# Altium PCB AD9959.PcbDoc (part 1 of 2) (continued)
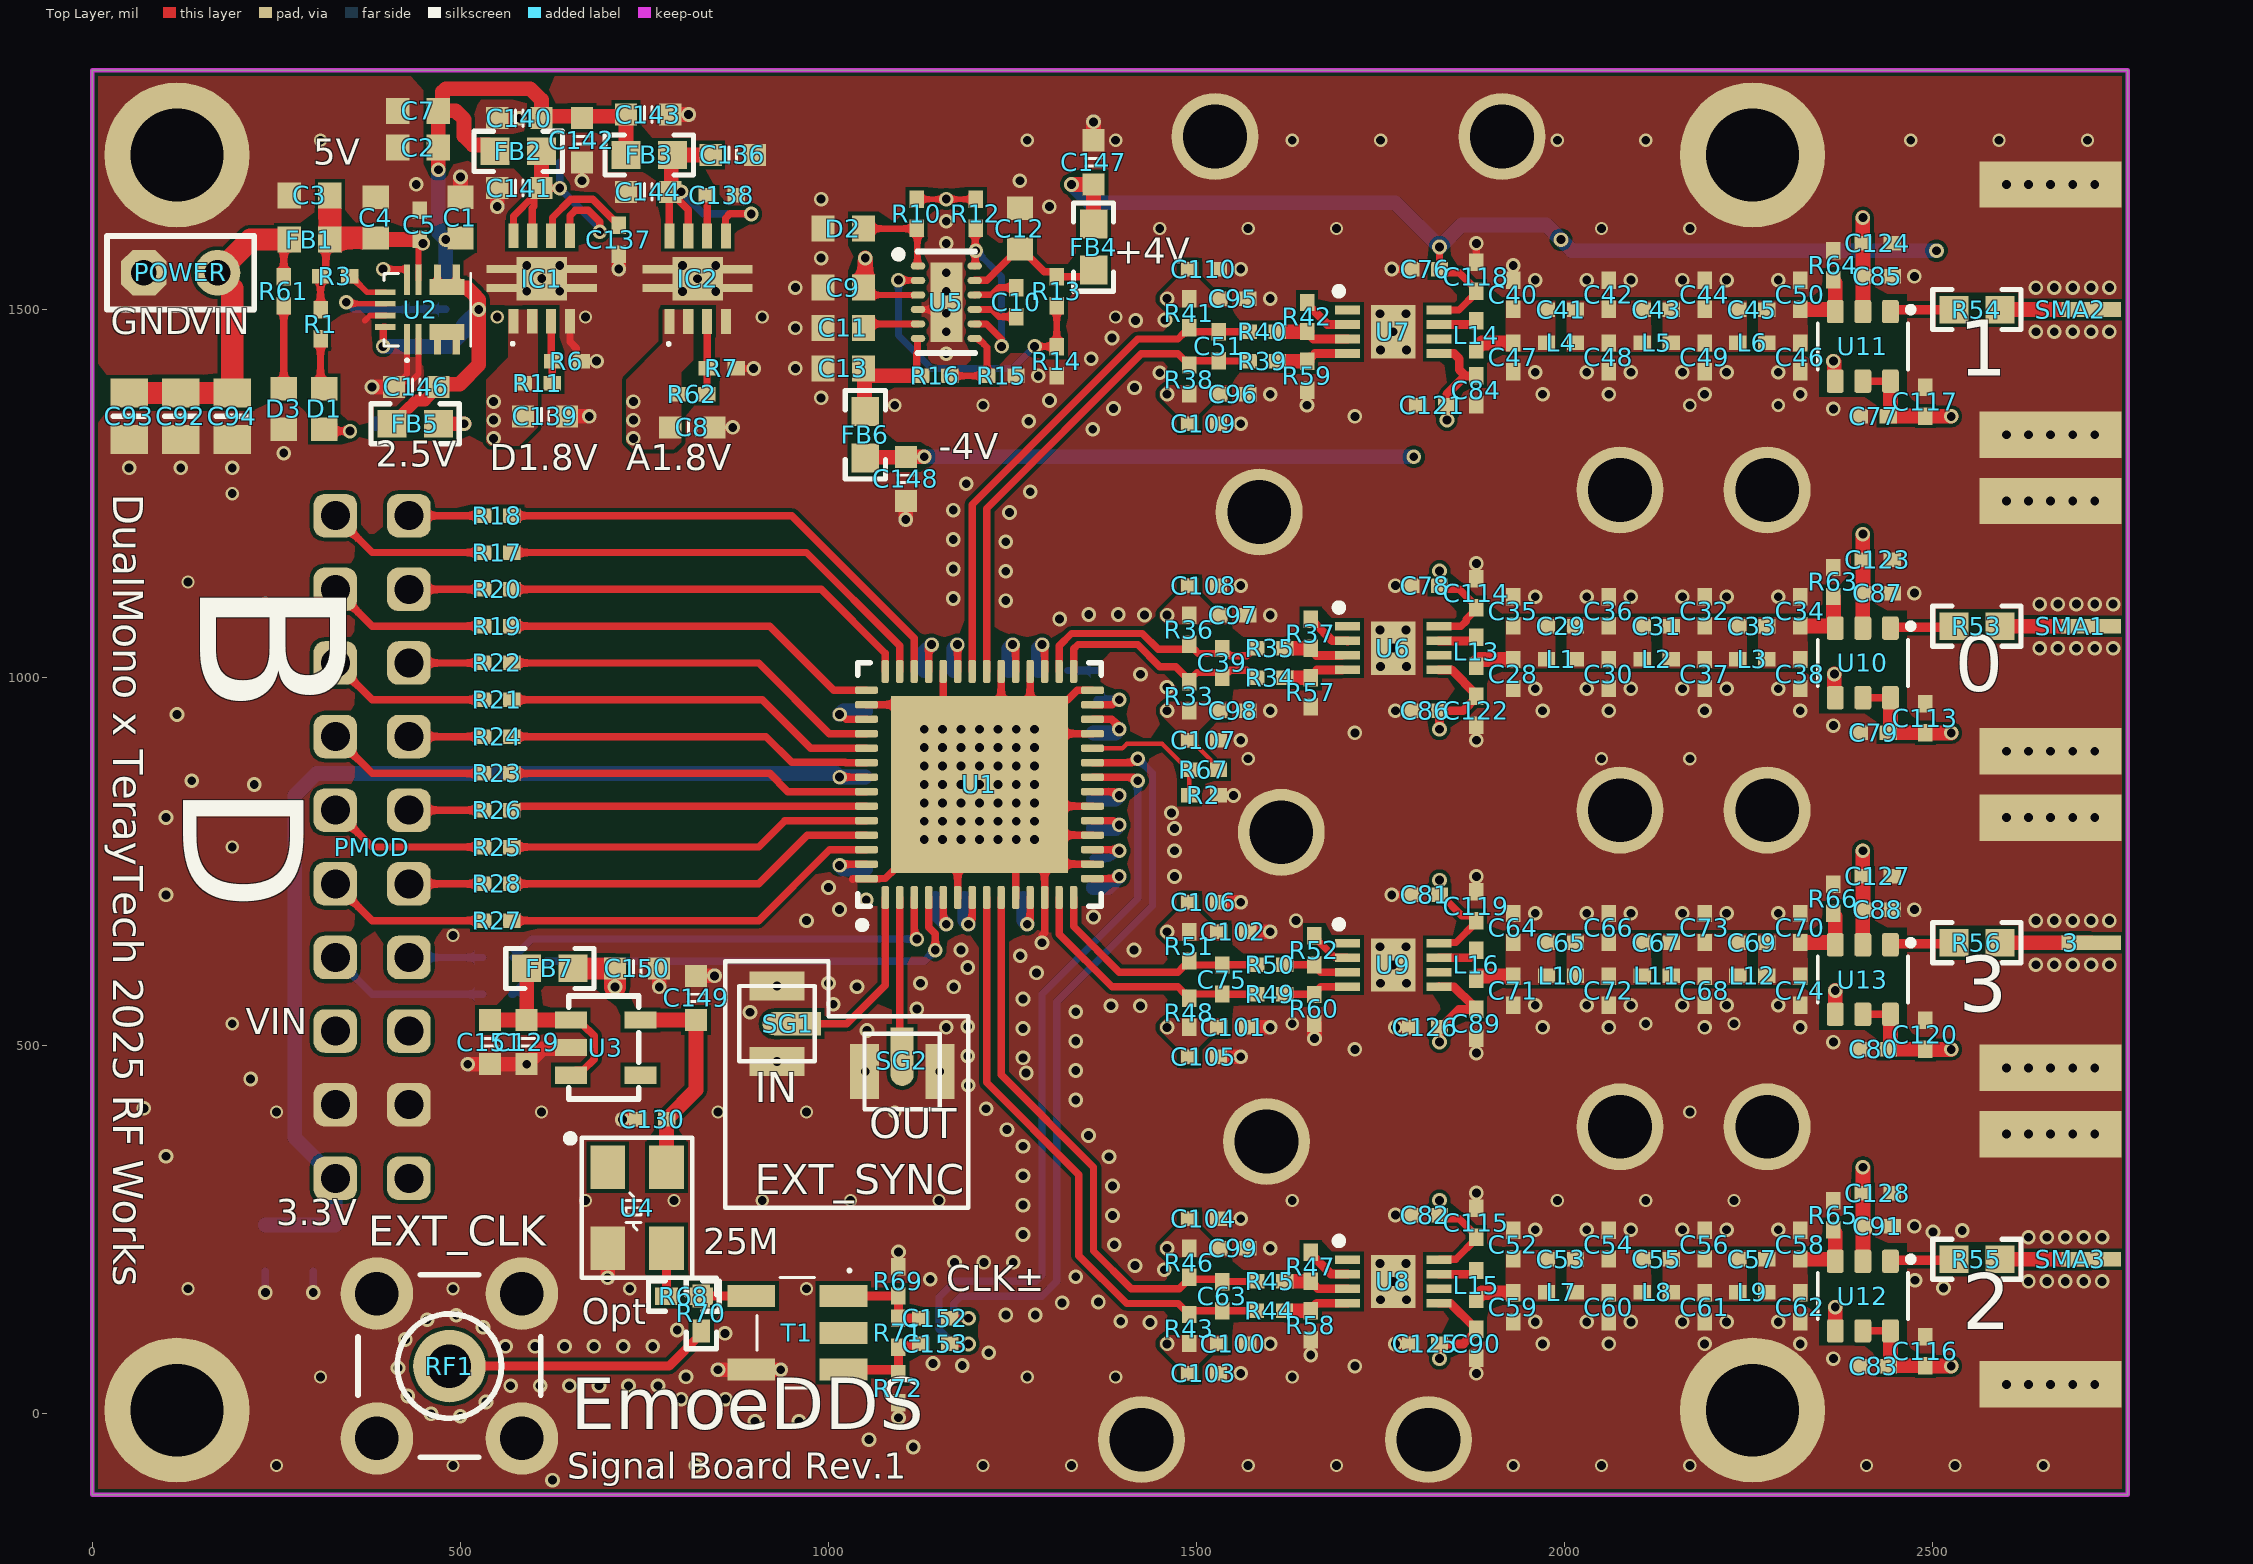
[diagram p0: Top Layer view]
## Components (designator, comment, footprint, x,y, rotation, side; value= is the part's Value field where it differs from the comment)
3 "132414" CONN_132414_AMP 2860,640 r270 top locked (schematic designator SMA4)
C1 "10uF" 1608[0603] 500,1625 r270 top value=104
C2 "10uF" 1608[0603] 442.44,1720 r0 top value=104
C3 "10uF" 1608[0603] 295,1655 r180 top value=104
C4 "10uF" 1608[0603] 385,1625 r90 top value=104
C5 "100nF" 0402#1 445,1615 r90 top value=104
C6 "680pF" 0402#1 1325,990 r90 bottom value=104
C7 "10uF" 1608[0603] 442.44,1770 r180 top value=104
C8 "10uF" 0603_C 815,1340 r180 top value=104
C9 "10uF" 1608[0603] 1020,1530 r0 top value=104
C10 "1uF" 0402#1 1255,1510 r270 top value=104
C11 "4.7uF" 1608[0603] 1020,1475 r180 top value=104
C12 "10uF" 1608[0603] 1260,1610 r90 top value=104
C13 "10uF" 1608[0603] 1020,1420 r0 top value=104
C14 "100nF" 0402#1 1070,740 r0 bottom value=104
C15 "100nF" 0402#1 1070,955 r0 bottom value=104
C16 "100nF" 0402#1 1170,990 r270 bottom value=104
C17 "100nF" 0402#1 1130,990 r270 bottom value=104
C18 "100nF" 0402#1 1340,925 r180 bottom value=104
C19 "100nF" 0402#1 1285,990 r270 bottom value=104
C20 "100nF" 0402#1 1245,990 r270 bottom value=104
C21 "100nF" 0402#1 1340,835 r180 bottom value=104
C22 "100nF" 0402#1 1340,795 r180 bottom value=104
C23 "100nF" 0402#1 1340,715 r180 bottom value=104
C24 "100nF" 0402#1 1185,720 r90 bottom value=104
C25 "100nF" 0402#1 1265,720 r90 bottom value=104
C26 "100nF" 0402#1 1145,720 r90 bottom value=104
C27 "100nF" 0402#1 1070,865 r0 bottom value=104
C28 "18pF" 0402#1 1930,1005 r90 top value=104
C29 "11pF" 0402#1 1995,1070 r0 top value=104
C30 "15pF" 0402#1 2060,1005 r90 top value=104
C31 "18pF" 0402#1 2125,1070 r0 top value=104
C32 "16pF" 0402#1 2190,1090 r270 top value=104
C33 "5.6pF" 0402#1 2255,1070 r0 top value=104
C34 "9pF" 0402#1 2320,1090 r90 top value=104
C35 "18pF" 0402#1 1930,1090 r90 top value=104
C36 "15pF" 0402#1 2060,1090 r90 top value=104
C37 "16pF" 0402#1 2190,1005 r270 top value=104
C38 "9pF" 0402#1 2320,1005 r90 top value=104
C39 "10pF" 0402#1 1535,1020 r270 top value=104
C40 "18pF" 0402#1 1930,1520 r270 top value=104
C41 "11pF" 0402#1 1995,1500 r0 top value=104
C42 "15pF" 0402#1 2060,1520 r270 top value=104
C43 "18pF" 0402#1 2125,1500 r0 top value=104
C44 "16pF" 0402#1 2190,1520 r270 top value=104
C45 "5.6pF" 0402#1 2255,1500 r0 top value=104
C46 "9pF" 0402#1 2320,1435 r270 top value=104
C47 "18pF" 0402#1 1930,1435 r270 top value=104
C48 "15pF" 0402#1 2060,1435 r270 top value=104
C49 "16pF" 0402#1 2190,1435 r270 top value=104
C50 "9pF" 0402#1 2320,1520 r270 top value=104
C51 "10pF" 0402#1 1530,1450 r270 top value=104
C52 "18pF" 0402#1 1930,230 r270 top value=104
C53 "11pF" 0402#1 1995,210 r0 top value=104
C54 "15pF" 0402#1 2060,230 r270 top value=104
C55 "18pF" 0402#1 2125,210 r0 top value=104
C56 "16pF" 0402#1 2190,230 r270 top value=104
C57 "5.6pF" 0402#1 2255,210 r0 top value=104
C58 "9pF" 0402#1 2320,230 r90 top value=104
C59 "18pF" 0402#1 1930,145 r270 top value=104
C60 "15pF" 0402#1 2060,145 r270 top value=104
C61 "16pF" 0402#1 2190,145 r270 top value=104
C62 "9pF" 0402#1 2320,145 r90 top value=104
C63 "10pF" 0402#1 1535,160 r270 top value=104
C64 "18pF" 0402#1 1930,660 r270 top value=104
C65 "11pF" 0402#1 1995,640 r0 top value=104
C66 "15pF" 0402#1 2060,660 r270 top value=104
C67 "18pF" 0402#1 2125,640 r0 top value=104
C68 "16pF" 0402#1 2190,575 r90 top value=104
C69 "5.6pF" 0402#1 2255,640 r0 top value=104
C70 "9pF" 0402#1 2320,660 r90 top value=104
C71 "18pF" 0402#1 1930,575 r270 top value=104
C72 "15pF" 0402#1 2060,575 r270 top value=104
C73 "16pF" 0402#1 2190,660 r90 top value=104
C74 "9pF" 0402#1 2320,575 r90 top value=104
C75 "10pF" 0402#1 1535,590 r270 top value=104
C76 "100nF" 0402#1 1810.32,1555 r180 top value=104
C77 "100nF" 0402#1 2420,1355 r180 top value=104
C78 "100nF" 0402#1 1810.32,1125 r180 top value=104
C79 "100nF" 0402#1 2420,925 r180 top value=104
C80 "100nF" 0402#1 2420,495 r180 top value=104
C81 "100nF" 0402#1 1810.32,705 r180 top value=104
C82 "100nF" 0402#1 1810.32,270 r180 top value=104
C83 "100nF" 0402#1 2420,65 r180 top value=104
C84 "100nF" 0402#1 1880,1390.32 r270 top value=104
C85 "100nF" 0402#1 2425,1545 r0 top value=104
C86 "100nF" 0402#1 1810.32,955 r180 top value=104
C87 "100nF" 0402#1 2425,1115 r0 top value=104
C88 "100nF" 0402#1 2425,685 r0 top value=104
C89 "100nF" 0402#1 1880,530 r270 top value=104
C90 "100nF" 0402#1 1880,95 r270 top value=104
C91 "100nF" 0402#1 2425,255 r0 top value=104
C92 "22uF" 6-0805_L 120,1355 r270 top value=104
C93 "22uF" 6-0805_L 50,1355 r270 top value=104
C94 "22uF" 6-0805_L 190,1355 r270 top value=104
C95 "100nF" 0402#1 1550,1515 r0 top value=104
C96 "100nF" 0402#1 1550,1385 r0 top value=104
C97 "100nF" 0402#1 1550,1085 r0 top value=104
C98 "100nF" 0402#1 1550,955 r0 top value=104
C99 "100nF" 0402#1 1550,225 r0 top value=104
C100 "100nF" 0402#1 1550,95 r0 top value=104
C101 "100nF" 0402#1 1550,525 r0 top value=104
C102 "100nF" 0402#1 1550,655 r0 top value=104
C103 "10uF" 0402#1 1510,55 r0 top value=104
C104 "10uF" 0402#1 1510,265 r0 top value=104
C105 "10uF" 0402#1 1510,485 r0 top value=104
C106 "10uF" 0402#1 1510,695 r0 top value=104
C107 "10uF" 0402#1 1510,915 r0 top value=104
C108 "10uF" 0402#1 1510,1125 r0 top value=104
C109 "10uF" 0402#1 1510,1345 r0 top value=104
C110 "10uF" 0402#1 1510,1555 r0 top value=104
C111 "22uF" 6-0805_L 300,225 r270 bottom value=104
C112 "22uF" 6-0805_L 235,225 r270 bottom value=104
C113 "10uF" 0402#1 2490,945 r90 top value=104
C114 "10uF" 0402#1 1880,1114.68 r90 top value=104
C115 "10uF" 0402#1 1880,259.68 r90 top value=104
C116 "10uF" 0402#1 2490,85 r90 top value=104
C117 "10uF" 0402#1 2490,1375 r90 top value=104
C118 "10uF" 0402#1 1880,1544.68 r90 top value=104
C119 "10uF" 0402#1 1880,689.68 r90 top value=104
C120 "10uF" 0402#1 2490,515 r90 top value=104
C121 "10uF" 0402#1 1820.32,1370 r180 top value=104
C122 "10uF" 0402#1 1880,955.32 r270 top value=104
C123 "10uF" 0402#1 2425,1160 r0 top value=104
C124 "10uF" 0402#1 2425,1590 r0 top value=104
C125 "10uF" 0402#1 1810.32,95 r180 top value=104
C126 "10uF" 0402#1 1810.32,525 r180 top value=104
C127 "10uF" 0402#1 2425,730 r0 top value=104
C128 "10uF" 0402#1 2425,300 r0 top value=104
C129 "1uF" 0603_C 590,505 r90 top value=104
C130 "0.1uF" 0402#1 760.32,400 r180 top value=104
C135 "10uF" 0603_C 635,1730 r270 bottom value=104
C136 "10uF" 0603_C 870,1710 r180 top value=104
C137 "10nF" 0402L 715,1595 r90 top value=104
C138 "10nF" 0402L 855,1655 r180 top value=104
C139 "10uF" 0603_C 615,1355 r180 top value=104
C140 "1uF" 0603_C 580,1760 r0 top value=104
C141 "1uF" 0603_C 580,1665 r0 top value=104
C142 "10uF" 0603_C 665,1730 r90 top value=104
C143 "1uF" 0603_C 755,1765 r180 top value=104
C144 "1uF" 0603_C 755,1660 r0 top value=104
C145 "1uF" 0603_C 440,1345 r0 bottom value=104
C146 "1uF" 0603_C 440,1395 r0 top value=104
C147 "0.1uF" 0603_C 1360,1700 r270 top value=104
C148 "0.1uF" 0603_C 1105,1270 r90 top value=104
C149 "1uF" 0603_C 820,565 r270 top value=104
C150 "1uF" 0603_C 740,605 r180 top value=104
C151 "1uF" 0603_C 540,505 r90 top value=104
C152 "0.1uF" 0402l 1145,130 r0 top value=104
C153 "0.1uF" 0402l 1145,95 r0 top value=104
D1 "RED" 1608[0603] 315,1365 r270 top
D2 "RED" 1608[0603] 1020,1610 r180 top
D3 "BLUE" 1608[0603] 260,1365 r270 top
FB1 "100R,100MHz, 0603" 1608[0603] 295,1595 r0 top
FB2 "600Ω @ 100MHz" 0603 578.5,1715 r0 top
FB3 "600Ω @ 100MHz" 0603 756.5,1710 r0 top
FB4 "600Ω @ 100MHz" 0603 1360,1585 r270 top
FB5 "600Ω @ 100MHz" 0603 438.5,1345 r180 top
FB6 "600Ω @ 100MHz" 0603 1050,1330 r90 top
FB7 "600Ω @ 100MHz" 0603 621.5,605 r180 top
IC1 "TPS7A8001DRBR" TPS7A8001DRBR#1 610.39,1542.2 r0 top
IC2 "TPS7A8001DRBR" TPS7A8001DRBR#2 822.2,1541.93 r0 top
L1 "33nH" 0402#1 1995,1025 r180 top
L2 "24nH" 0402#1 2125,1025 r180 top
L3 "30nH" 0402#1 2255,1025 r180 top
L4 "33nH" 0402#1 1995,1455 r180 top
L5 "24nH" 0402#1 2125,1455 r180 top
L6 "30nH" 0402#1 2255,1455 r180 top
L7 "33nH" 0402#1 1995,165 r180 top
L8 "24nH" 0402#1 2125,165 r180 top
L9 "30nH" 0402#1 2255,165 r180 top
L10 "33nH" 0402#1 1995,595 r180 top
L11 "24nH" 0402#1 2125,595 r180 top
L12 "30nH" 0402#1 2255,595 r180 top
L13 "24nH" 0402L 1880,1035 r270 top
L14 "24nH" 0402L 1880,1465 r270 top
L15 "24nH" 0402L 1880,175 r270 top
L16 "24nH" 0402L 1880,610 r270 top
PMOD "Header 2X10" 201R2X10 330,1220 r270 top
POWER "HDR-1X2" header2 70,1550 r0 top
R1 "18K" 0402#1 310,1480 r90 top value=1K
R2 "10K" 0402#1 1510,840 r0 top value=1K
R3 "10K" 0402#1 330,1545 r180 top value=1K
R4 "51K" 0402#1 480,1520 r90 bottom value=1K
R5 "16K" 0402#1 440,1520 r270 bottom value=1K
R6 "10K" 0402L 644.68,1430 r0 top value=1K
R7 "10K" 0402L 855,1420 r0 top value=1K
R8 "680" 0402#1 1365,990 r90 bottom value=1K
R9 "1.8K" 0402#1 1340,755 r180 bottom value=1K
R10 "18K" 0402#1 1120,1630 r90 top value=1K
R11 "12.5K" 0402L 605,1400 r0 top value=1K
R12 "10K" 0402#1 1200,1630 r270 top value=1K
R13 "130K" 0402#1 1310,1525 r270 top value=1K
R14 "56K" 0402#1 1310,1430 r90 top value=1K
R15 "56K" 0402#1 1235,1410 r180 top value=1K
R16 "130K" 0402#1 1145,1410 r180 top value=1K
R17 "33" 0402#1 550,1170 r0 top value=1K
R18 "33" 0402#1 550,1220 r180 top value=1K
R19 "33" 0402#1 550,1070 r0 top value=1K
R20 "33" 0402#1 550,1120 r180 top value=1K
R21 "33" 0402#1 550,970 r0 top value=1K
R22 "33" 0402#1 550,1020 r180 top value=1K
R23 "33" 0402#1 550,870 r0 top value=1K
R24 "33" 0402#1 550,920 r180 top value=1K
R25 "33" 0402#1 550,770 r0 top value=1K
R26 "33" 0402#1 550,820 r180 top value=1K
R27 "33" 0402#1 550,670 r0 top value=1K
R28 "33" 0402#1 550,720 r180 top value=1K
R29 "33" 0402#1 550,570 r0 bottom value=1K
R30 "33" 0402#1 550,620 r180 bottom value=1K
R33 "49.9R" 0402#1 1490,975 r90 top value=1K
R34 "180" 0402#1 1600,1000 r0 top value=1K
R35 "180" 0402#1 1600,1040 r0 top value=1K
R36 "49.9R" 0402#1 1490,1065 r90 top value=1K
R37 "430" 0402#1 1655,1059.68 r90 top value=1K
R38 "49.9R" 0402#1 1490,1405 r90 top value=1K
R39 "180" 0402#1 1589.68,1430 r0 top value=1K
R40 "180" 0402#1 1589.68,1470 r0 top value=1K
R41 "49.9R" 0402#1 1490,1495 r90 top value=1K
R42 "430" 0402#1 1650,1490 r90 top value=1K
R43 "49.9R" 0402#1 1490,115.31 r90 top value=1K
R44 "180" 0402#1 1599.68,140 r0 top value=1K
R45 "180" 0402#1 1600,180 r0 top value=1K
R46 "49.9R" 0402#1 1490,205.31 r90 top value=1K
R47 "430" 0402#1 1655,199.68 r90 top value=1K
R48 "49.9R" 0402#1 1490,545 r90 top value=1K
R49 "180" 0402#1 1600,570 r0 top value=1K
R50 "180" 0402#1 1600,610 r0 top value=1K
R51 "49.9R" 0402#1 1490,635 r90 top value=1K
R52 "430" 0402#1 1660,630 r90 top value=1K
R53 "49.9" 0603 2560,1070 r0 top value=1K
R54 "49.9" 0603 2560,1500 r0 top value=1K
R55 "49.9" 0603 2560,210 r0 top value=1K
R56 "49.9" 0603 2560,640 r0 top value=1K
R57 "430" 0402#1 1655,980.32 r270 top value=1K
R58 "430" 0402#1 1655,120.32 r270 top value=1K
R59 "430" 0402#1 1650,1410 r270 top value=1K
R60 "430" 0402#1 1660,550 r270 top value=1K
R61 "18K" 0402#1 260,1525 r270 top value=1K
R62 "12.5K" 0402L 815,1385 r0 top value=1K
R63 "30R" 0402L 2365,1130 r270 top value=1K
R64 "30R" 0402L 2365,1560 r270 top value=1K
R65 "30R" 0402L 2365,269.69 r270 top value=1K
R66 "30R" 0402L 2365,699.69 r270 top value=1K
R67 "NC" 0402L 1510,875 r180 top value=1K
R68 "0R" 0402#2 803.62,160 r0 top value=1K
R69 "24.9R" 0402L 1095,180 r270 top value=1K
R70 "NC" 0402#2 827.24,136.38 r90 top value=1K
R71 "49.9R" 0402L 1095,110 r270 top value=1K
R72 "24.9R" 0402L 1095,35 r90 top value=1K
RF1 "SMA-KHD" SMA-5 485,65 r0 top
SG1 "IPEX_IPX U.FL-SMA" IPEX_gen1 930,530 r0 top
SG2 "IPEX_IPX U.FL-SMA" IPEX_gen1 1100,465 r90 top
SMA1 "132414" CONN_132414_AMP 2860,1070 r270 top locked
SMA2 "132414" CONN_132414_AMP 2860,1500 r270 top locked
SMA3 "132414" CONN_132414_AMP 2860,210 r270 top locked
T1 "ETC1-1-13+" BALUN-5 957.6,110 r270 top
U1 "AD9959BCPZ" ADI-CP-56-1_L 1205,855 r90 top
U2 "MPM3810GQB-P" MPM3810GQB33Z 455,1500 r90 top
U3 "RF LDO" SOT-23-5 700.12,498.54 r270 top
U4 "TCXO" OSC_KH3225_4P 785,215 r270 top
U5 "LM27762DSSR" FP-DSS0012B-IPC_A 1160,1510 r0 top
U6 "ADA4857-1YCPZ-R2" SON50P300X300X85-9N-D 1767.09,1040.16 r0 top
U7 "ADA4857-1YCPZ-R2" SON50P300X300X85-9N-D 1767.09,1469.84 r0 top
U8 "ADA4857-1YCPZ-R2" SON50P300X300X85-9N-D 1767.09,179.84 r0 top
U9 "ADA4857-1YCPZ-R2" SON50P300X300X85-9N-D 1767.09,609.84 r0 top
U10 "OPA693IDBVR" SOT95P280X145-6N 2405,1020 r270 top
U11 "OPA693IDBVR" SOT95P280X145-6N 2405,1450 r270 top
U12 "OPA693IDBVR" SOT95P280X145-6N 2405,160 r270 top
U13 "OPA693IDBVR" SOT95P280X145-6N 2405,590 r270 top

## Footprints (in the part's own frame and the unit in brackets; to place one, negate y for a bottom-side part, rotate by r counter-clockwise, add the part's x,y. Pads: shape width x height; smd on the part's side, far side on the other; paste and mask are expansions set on the pad)
6-0805_L [mm] "Chip Resistor, Body 2.0x1.2mm, IPC High Density"
  rect 1x1.3 smd: 1(-0.8,0) 2(0.8,0)
  silkscreen extent 0,-0.55 0,0.55, body extent -1.07,-0.7 1.07,0.7, height 0.7
201R2X10 [mm]
  rrect50% 1.5x1.5 hole 1: 1(0,0) 2(0,2.54) 3(2.54,0) 4(2.54,2.54) 5(5.08,0) 6(5.08,2.54) 7(7.62,0) 8(7.62,2.54) 9(10.16,0) 10(10.16,2.54) 11(12.7,0) 12(12.7,2.54) 13(15.24,0) 14(15.24,2.54) 15(17.78,0) 16(17.78,2.54) 17(20.32,0) 18(20.32,2.54) 19(22.86,0) 20(22.86,2.54)
  body extent -1.27,-10 24.13,2.86, height 5.08
0402#1 [mm] "Chip Capacitor, Body 1.0x0.5mm, IPC High Density"
  rect 0.6x0.5 smd: 1(-0.5,0) 2(0.5,0)
  body extent -0.55,-0.3 0.55,0.3, height 1.3
0402#2 [mm] "0402 from SM-752 data"
  rect 0.8x0.6 smd: 1(-0.6,0) 2(0.6,0)
  silkscreen extent -1.22,-0.52 1.22,0.52, body extent -0.55,-0.3 0.55,0.3, height 0.6
0402L [mm] "0402 from SM-752 data"
  rect 0.6x0.5 smd: 1(-0.5,0) 2(0.5,0)
  body extent -0.55,-0.3 0.55,0.3, height 0.6
0402l [mm] "0402 from SM-752 data"
  rect 0.6x0.5 smd: 1(-0.5,0) 2(0.5,0)
  body extent -0.55,-0.3 0.55,0.3, height 0.6
0603 [mm] "0603 from SM-752 data"
  rect 1x0.95 smd: 1(-0.8,0) 2(0.8,0)
  silkscreen extent -1.52,-0.69 1.52,0.69, body extent -0.87,-0.47 0.87,0.47, height 1
0603_C [mil] "Capacitor"
  rect 30x30 smd: 1(-30,0) 2(30,0)
  silkscreen extent -5,-11 5,11, body extent -51,-18 52,21, height 35
1608[0603] [mm] "Chip Capacitor, Body 1.6x0.8mm, IPC High Density"
  rect 0.8x0.9 smd: 1(-0.7,0) 2(0.7,0)
  body extent -0.87,-0.48 0.87,0.48, height 1.3
ADI-CP-56-1_L [mm] "QFN, 56-Leads, Body 8x8mm, Pitch 0.5mm, Thermal Pad 6.1x6.1mm, IPC High Density"
  rrect50% 0.8x0.25 smd: 1(-3.9,3.25) 2(-3.9,2.75) 3(-3.9,2.25) 4(-3.9,1.75) 5(-3.9,1.25) 6(-3.9,0.75) 7(-3.9,0.25) 8(-3.9,-0.25) 9(-3.9,-0.75) 10(-3.9,-1.25) 11(-3.9,-1.75) 12(-3.9,-2.25) 13(-3.9,-2.75) 14(-3.9,-3.25) 29(3.9,-3.25) 30(3.9,-2.75) 31(3.9,-2.25) 32(3.9,-1.75) 33(3.9,-1.25) 34(3.9,-0.75) 35(3.9,-0.25) 36(3.9,0.25) 37(3.9,0.75) 38(3.9,1.25) 39(3.9,1.75) 40(3.9,2.25) 41(3.9,2.75) 42(3.9,3.25)
  rrect50% 0.25x0.8 smd: 15(-3.25,-3.9) 16(-2.75,-3.9) 17(-2.25,-3.9) 18(-1.75,-3.9) 19(-1.25,-3.9) 20(-0.75,-3.9) 21(-0.25,-3.9) 22(0.25,-3.9) 23(0.75,-3.9) 24(1.25,-3.9) 25(1.75,-3.9) 26(2.25,-3.9) 27(2.75,-3.9) 28(3.25,-3.9) 43(3.25,3.9) 44(2.75,3.9) 45(2.25,3.9) 46(1.75,3.9) 47(1.25,3.9) 48(0.75,3.9) 49(0.25,3.9) 50(-0.25,3.9) 51(-0.75,3.9) 52(-1.25,3.9) 53(-1.75,3.9) 54(-2.25,3.9) 55(-2.75,3.9) 56(-3.25,3.9)
  rect 6.1x6.1 smd: 57(0,0)
  silkscreen extent -4.97,-4.2 4.2,4.2, body extent -4,-4 4,4, height 0.99
BALUN-5 [mm] "smaller transformer footprint"
  rect 0.76x1.65 smd: 1(-1.27,-1.59) 2(1.27,-1.59) 3(1.27,1.59) 4(0,1.59) 5(-1.27,1.59)
  silkscreen extent -2.2,-1.4 1.91,1.85, body extent -1.86,-2.33 1.86,2.33, height 2.88
CONN_132414_AMP [mil]
  rect 20x81 smd paste+0 mask+0: 1(0,-145)
  rect 63x193 smd: 2(-170,-200) 3(170,-200)
  rect 405x193 smd far side: 4(0,-200)
  body extent -188,-292 188,270, height 162
FP-DSS0012B-IPC_A [mm]
  oval 0.502x0.242 smd paste+0 mask+0: 1(-0.976,1.25) 2(-0.976,0.75) 3(-0.976,0.25) 4(-0.976,-0.25) 5(-0.976,-0.75) 6(-0.976,-1.25)
  rrect100% 0.502x0.242 smd paste+0 mask+0: 7(0.976,-1.25) 8(0.976,-0.75) 9(0.976,-0.25) 10(0.976,0.25) 11(0.976,0.75) 12(0.976,1.25)
  rect 1.1x2.75 smd paste-1000 mask+0: 13(0,0)
  silkscreen extent -1.78,-1.75 1,1.78, body extent -1.96,-2 1.96,2, height 0.25
header2 [mil]
  round 1 on Mech3: 0(51,1)
  oct 62x62 hole 35: 1(0,0)
  round 62 hole 35: 2(100,0)
  silkscreen extent -50,-50 150,50
IPEX_gen1 [mm]
  oval 1x0.8 smd: 1(0,0)
  rect 1.5x0.8 smd: 1(0.762,0)
  rect 1.9x1 smd: 2(0,1.3) 3(0,-1.3)
  silkscreen extent -1.3,-1.3 1.3,1.3, body extent -1.58,-1.5 1.52,1.5, height 1.25
MPM3810GQB33Z [mm]
  rect 1.05x0.2 smd: 1(-1.025,0.7) 2(-1.025,0.3) 7(1.025,0.3) 8(1.025,0.7)
  rect 0.5x0.25 smd: 3(-1.3,-0.35) 4(-1.3,-1) 5(1.3,-1) 6(1.3,-0.35)
  rect 0.2x0.7 smd: 9(0.6,1.45) 10(0.2,1.45) 11(-0.2,1.45) 12(-0.6,1.45)
  rect 0.55x1.2 smd: 13(-0.775,-0.675) 14(0.775,-0.675)
  silkscreen extent -1.8,-1.5 1.25,1.5, body extent -1.25,-1.5 1.25,1.5, height 1.1
OSC_KH3225_4P [mil]
  rect 59.06x47.24 smd: 1(-120,-85) 2(-10,-85) 3(-10,-5) 4(-120,-5)
  silkscreen extent -164,-141 30,30, body extent -128,-94 -2,4, height 31
SMA-5 [mm]
  round 2.5 hole 1.5: 1(-2.5,-2.5) 1(-2.5,2.5) 1(2.5,-2.5) 1(2.5,2.5) 2(0,0)
  silkscreen extent -3.15,-3.15 3.15,3.15
SON50P300X300X85-9N-D [mm]
  rect 0.85x0.3 smd: 1(-1.577,0.75) 2(-1.577,0.25) 3(-1.577,-0.25) 4(-1.577,-0.75) 5(1.577,-0.75) 6(1.577,-0.25) 7(1.577,0.25) 8(1.577,0.75)
  rect 1.55x1.84 smd: 9(0,0)
  silkscreen extent -2,1.28 -1.75,1.52, body extent -1.55,-1.5 1.55,1.5, height 0.85
SOT95P280X145-6N [mm]
  rrect25% 0.8x0.58 smd: 1(-1.2,0.95) 2(-1.2,0) 3(-1.2,-0.95) 4(1.2,-0.95) 5(1.2,0) 6(1.2,0.95)
  silkscreen extent -1.37,-1.56 0.8,1.75, body extent -1.4,-1.45 1.4,1.45, height 1.45
SOT-23-5 [mm]
  rect 0.6x1.1 smd: 1(-0.926,-1.273) 2(0.024,-1.273) 3(0.974,-1.273) 4(0.974,1.127) 5(-0.926,1.127)
  silkscreen extent -1.75,-1.34 1.8,1.07, body extent -1.45,-1.53 1.45,1.27, height 1.2
TPS7A8001DRBR#1 [mm]
  rect 0.35x0.85 smd: 1(-0.975,-1.475) 2(-0.325,-1.475) 3(0.325,-1.475) 4(0.975,-1.475) 5(0.975,1.475) 6(0.325,1.475) 7(-0.325,1.475) 8(-0.975,1.475)
  rect 1.75x1.5 smd: 9(0,0)
  rect 1.025x0.28 smd mask+0: 10(-1.387,0.325) 11(-1.387,-0.325) 12(1.387,-0.325) 13(1.387,0.325)
  silkscreen extent -1.05,-2.3 -0.95,-2.2, body extent -1.5,-1.5 1.5,1.5, height 1.1
TPS7A8001DRBR#2 [mm]
  rect 0.35x0.85 smd: 1(-0.975,-1.475) 2(-0.325,-1.475) 3(0.325,-1.475) 4(0.975,-1.475) 5(0.975,1.475) 6(0.325,1.475) 7(-0.325,1.475) 8(-0.975,1.475)
  rect 1.75x1.5 smd: 9(0,0)
  rect 1.025x0.28 smd: 10(-1.387,0.325) 11(-1.387,-0.325) 12(1.387,-0.325) 13(1.387,0.325)
  silkscreen extent -1.05,-2.3 -0.95,-2.2, body extent -1.5,-1.5 1.5,1.5, height 1.1

## Part data
3 SMA1 SMA2 SMA3: "No Description Available", Mfr_Name="Amphenol ICC", Copyright="Copyright (C) 2022 Ultra Librarian. All rights reserved.", Manufacturer_Part_Number=132414, RefDes=RefDes, Type=DEV
C1 C2 C3 C4 C5 C6 C7 C8 C9 C10 C11 C12 C13 C14 C15 C16 C17 C18 C19 C20 C21 C22 C23 C24 C25 C26 C27 C28 C29 C30 C31 C32 C33 C34 C35 C36 C37 C38 C39 C40 C41 C42 C43 C44 C45 C46 C47 C48 C49 C50 C51 C52 C53 C54 C55 C56 C57 C58 C59 C60 C61 C62 C63 C64 C65 C66 C67 C68 C69 C70 C71 C72 C73 C74 C75 C76 C77 C78 C79 C80 C81 C82 C83 C84 C85 C86 C87 C88 C89 C90 C91 C92 C93 C94 C95 C96 C97 C98 C99 C100 C101 C102 C103 C104 C105 C106 C107 C108 C109 C110 C111 C112 C113 C114 C115 C116 C117 C118 C119 C120 C121 C122 C123 C124 C125 C126 C127 C128 C129 C130 C135 C136 C137 C138 C139 C140 C141 C142 C143 C144 C145 C146 C147 C148 C149 C150 C151 C152 C153: library part CAP, "Capacitor", LatestRevisionDate=17-Jul-2002, LatestRevisionNote="Re-released for DXP Platform.", PackageReference=RAD-0.3, Published=8-Jun-2000, Publisher="Altium Limited"
D1 D2 D3: library part LED0, "Typical INFRARED GaAs LED", LatestRevisionDate=08-Jul-2005, LatestRevisionNote="Mech Layer 1 removed.", PackageDescription="LED; 2 Leads", PackageReference=LED-0, Published=8-Jun-2000, Publisher="Altium Limited"
FB1: library part FB, "磁珠"
FB2 FB3 FB4 FB5 FB6 FB7: library part FB, "磁珠 600Ω @ 100MHz"
IC1 IC2: "Integrated Circuit", Manufacturer_Name="Texas Instruments", Mouser Part Number=595-TPS7A8001DRBR, Arrow Part Number=TPS7A8001DRBR, Arrow Price/Stock=https://www.arrow.com/en/products/tps7a8001drbr/texas-instruments?region=nac, Datasheet Link=https://datasheet.lcsc.com/szlcsc/Texas-Instruments-TI-TPS7A8001DRBR_C105265.pdf, Height=1mm, Manufacturer_Part_Number=TPS7A8001DRBR, Mouser Price/Stock=https://www.mouser.co.uk/ProductDetail/Texas-Instruments/TPS7A8001DRBR?qs=CLImetaeaXWznukkeYNGNw%3D%3D
L1 L2 L3 L4 L5 L6 L7 L8 L9 L10 L11 L12: library part FB
L13 L14 L15 L16: library part Inductor
PMOD: library part "Header 10X2", "10*2P接插件", BOM名称=10*2P接插件, 下单链接=https://item.taobao.com/item.htm?ft=t&id=613637044352, 淘宝ID=小糖豆的小窝窝
POWER: library part "Header 2", "2P接插件", BOM名称=2P接插件, 下单链接=https://item.taobao.com/item.htm?ft=t&id=613637044352, 淘宝ID=小糖豆的小窝窝
R1 R2 R3 R4 R5 R6 R7 R8 R9 R10 R11 R12 R13 R14 R15 R16 R17 R18 R19 R20 R21 R22 R23 R24 R25 R26 R27 R28 R29 R30 R33 R34 R35 R36 R37 R38 R39 R40 R41 R42 R43 R44 R45 R46 R47 R48 R49 R50 R51 R52 R53 R54 R55 R56 R57 R58 R59 R60 R61 R62 R63 R64 R65 R66 R67 R68 R69 R70 R71 R72: library part RES, "Resistor", Published=8-Jun-2000, Publisher="Altium Limited", Revision="July-2002: Re-released for DXP Platform."
RF1: library part SMA_KHD
T1: library part ETC1-1-13
U1: library part CMP-0293-00014-1, "4-Channel, 500 MSPS DDS with 10-Bit DACs, Serial, CP-56-1, 260 Tray, Pb-Free", Code_JEDEC=MO-220-VLLD-2, Compliance Range (V)=2.3V, ComponentLink1Description="Manufacturer URL", ComponentLink1URL=www.analog.com, ComponentLink2Description=Datasheet, ComponentLink2URL=http://www.analog.com/static/imported-files/data_sheets/AD9959.pdf, ComponentLink3Description="Package Specification", ComponentLink3URL=http://www.analog.com/static/imported-files/packages/32698137492825CP_56_1.pdf, DatasheetVersion="Rev. B", FS Iout (mA nom)=10mA, I Supply total (max)=180mA, I/O Interface=Serial, Master fclk=500MHz, PackageDescription="56-Lead Lead Frame Chip Scale Package [LFCSP_VQ]", PackageReference=CP-56-1, PackageVersion=112805-0, REFCLK Multiplier=Yes, Resolution (Bits)=10bit, Tuning Word Width (bits)=32bit
U2: "Integrated Circuit", Manufacturer_Name="Monolithic Power Systems (MPS)", Mouser Part Number=946-MPM3810GQBP, Datasheet Link=https://www.monolithicpower.com/pub/media/document/MPM3810_r1.1.pdf, Height=1mm, Manufacturer_Part_Number=MPM3810GQB-P, Mouser Price/Stock=https://www.mouser.co.uk/ProductDetail/Monolithic-Power-Systems-MPS/MPM3810GQB-P?qs=QEkzKklKf2S%252BUubfiGImEA%3D%3D
U3: library part ADP150
U5: library part CMP-04918-000139-2, "IC REG CHARGE PUMP ADJ DL 12WSON", Max Input Voltage=5.5V, Max Operating Temperature=85°C, Max Output Voltage=5V, Min Input Voltage=2.7V, Min Operating Temperature=-40°C, Min Output Voltage=1.5V, Output Current=250mA, Quiescent Current=390uA, Switching Frequency=2.3MHz, Lead Free="Lead Free", Mount="Surface Mount", Output Type=Adjustable, Packaging="Tape and Reel", RoHS Compliant=Yes, Synchronous Rectifier=No, Topology="Charge Pump"
U6 U7 U8 U9: "Integrated Circuit", Manufacturer_Name="Analog Devices", Mouser Part Number=584-ADA4857-1YCPZ-R2, Datasheet Link=https://g.componentsearchengine.com/Datasheets/1/ADA4857-1YCPZ-R2.pdf, Height=0.85mm, Manufacturer_Part_Number=ADA4857-1YCPZ-R2, Mouser Price/Stock=http://www.mouser.com/Search/ProductDetail.aspx?qs=pqQDoYZ2quYEvaTEvq9xqQ%3d%3d
U10 U11 U12 U13: "Ultra-Wideband, Fixed Gain Video Buffer Amplifier with Disable", Package="SOT-23-6 Texas Instruments", Availability="In Stock", Check_prices=https://www.snapeda.com/parts/OPA693IDBVR/Texas+Instruments/view-part/?ref=eda, MF="Texas Instruments", MP=OPA693IDBVR, Price=None, Purchase-URL=https://pricing.snapeda.com/search/part/OPA693IDBVR/?ref=eda, SnapEDA_Link=https://www.snapeda.com/parts/OPA693IDBVR/Texas+Instruments/view-part/?ref=snap

## Free pads (board coordinates)
  round 196.85 hole 125.98: 0(115,5) 0(115,1710) 0(2255,5) (2255,1710)
  round 118.11 hole 86.61: 0(1425,-35) 0(1525,1735) 0(1585,1225) 0(1595,370) 0(1615,790) 0(1815,-35) 0(1915,1735) 0(2075,390) 0(2075,820) 0(2075,1255) 0(2275,390) 0(2275,820) 0(2275,1255)

## Via types
v1: diameter 20, hole 12, Top Layer to Bottom Layer, tented both sides, 280 vias
v2: diameter 19.68, hole 12, Top Layer to Bottom Layer, tented both sides, 257 vias
v3: diameter 18, hole 12, Top Layer to Bottom Layer, tented both sides, 69 vias

## Nets (pads, with @x,y where several pads share a name; then routed paths per layer and width w, separated by ;. In a path a pad name is that pad's centre, name@x,y a point inside that pad or via, vN(x,y) a via of type N, cw(c..) or ccw(c..) an arc to the next point about the centre after c; other vN are vias at no path point)
2.5: C146.2 FB5.2 U2.5 U2.6 U2.12 U2.14 | length 534.9
  Top Layer w8: U2.6@468.78,1551.18 468.78,1537.34 475.61,1530.51 U2.14@481.57,1530.51 487.54,1530.51 494.37,1537.34 U2.5@494.37,1551.18
  Top Layer w10: v2(395,1450) 395,1476.38 U2.12@397.91,1476.38
  Top Layer w16: FB5.2@407.01,1345 407.99,1345 429.99,1367 430.38,1367 440.09,1376.7 451.7,1376.7 C146.2@470,1395
  Top Layer w20: C146.2@470,1395 473.71,1398.71 498.71,1398.71 525,1425 v1(525,1500) 525,1513.29 520.61,1517.68 520.61,1517.97 508.89,1529.68 482.4,1529.68 U2.14@481.57,1530.51
  Bottom Layer w20: v2(395,1450) 485,1450 504.04,1469.04 504.04,1479.04 v1(525,1500)
+2.5: C1.2 C2.2 C7.1 C140.2 C142.2 C143.2 C145.2 FB2.1 FB3.1 FB5.1 R4.2 | length 1036.3
  Top Layer w20: FB5.1@470,1345 v1(505,1345) ; v1(470,1690) C2.2@470,1720 C7.1@470,1770 ; FB2.1@547.01,1715 538.31,1723.7 516.72,1723.7 505,1735.42 505,1758.28 493.28,1770 C7.1@470,1770 ; FB3.1@725,1710 C143.2@725,1765 722.5,1762.5 612.5,1762.5 C140.2@610,1760 610,1785 595,1800 480,1800 475.75,1795.75 475.75,1775.75 C7.1@470,1770
  Layer 2 w20: v1(480,1595) v1(505,1345)
  Bottom Layer w20: C145.2@470,1345 v1(505,1345) ; v1(470,1690) 470,1605 v1(480,1595) R4.2@480,1539.69
+3.3: C27.1 C111.1 C112.1 PMOD.19 U1.49 | length 1527.6
  Top Layer w10: v2(1015,865) 1015.08,864.92 U1.49@1051.46,864.92
  Bottom Layer w20: C112.1@235,256.5 C111.1@300,256.5 330,256.5 PMOD.19@330,320 275,375 275,840 305,870 1010,870 v2(1015,865) C27.1@1050.32,865
+4: C76.1 C77.1 C78.1 C79.1 C80.1 C81.1 C82.1 C83.1 C113.1 C114.1 C115.1 C116.1 C117.1 C118.1 C119.1 C120.1 C147.2 FB4.1 U6.8 U7.8 U8.8 U9.8 U10.5 U10.6 U11.5 U11.6 U12.5 U12.6 U13.5 U13.6 | length 2608
  Top Layer w10: U8.8@1829.17,209.37 1830.08,210.28 1852.24,210.28 1880,238.03 C115.1@1880,240 1880,241.97 1856.81,265.16 1834.84,265.16 C82.1@1830,270 v1(1830,290) ; U9.8@1829.17,639.37 1830.08,640.28 1852.24,640.28 1880,668.03 C119.1@1880,670 1880,671.97 1875.16,676.81 1860.16,676.81 1831.97,705 C81.1@1830,705 v1(1830,725) ; U6.8@1829.17,1069.69 1859.2,1069.69 1866.28,1076.76 1866.28,1079.31 1880,1093.03 C114.1@1880,1095 1880,1096.97 1856.81,1120.16 1834.84,1120.16 C78.1@1830,1125 v1(1830,1145) ; U7.8@1830,1500.2 U7.8@1829.17,1499.37 1856.34,1499.37 1880,1523.03 C118.1@1880,1525 1880,1526.97 1856.81,1550.16 1834.84,1550.16 C76.1@1830,1555 v1(1830,1585) ; U12.5@2405,112.76 U12.6@2442.4,112.76 ; U13.5@2405,542.76 U13.6@2442.4,542.76 ; U10.5@2405,972.76 U10.6@2442.4,972.76 ; U11.5@2405,1402.76 U11.6@2442.4,1402.76
  Top Layer w20: v1(1330,1670) C147.2@1360,1670 FB4.1@1360,1616.5 ; C80.1@2439.68,495 ccw(c2433.13,501.56) C80.1@2442.4,501.56 ; C77.1@2439.69,1355 C77.1@2439.84,1355.16 ; U12.6@2442.4,109.8 2442.4,71.56 cw(c2433.13,71.56) C83.1@2439.68,65 2441.34,65 2441.65,65.32 C116.1@2490,65.32 2490,65.16 2490.16,65 v2(2525,65) ; U13.6@2442.4,539.8 C80.1@2442.4,501.56 ; U10.6@2442.4,969.8 2442.4,931.56 cw(c2433.13,931.56) C79.1@2439.68,925 2441.34,925 2441.65,925.32 C113.1@2490,925.32 2490,925.16 2490.16,925 v2(2525,925) ; U11.6@2442.4,1399.8 2442.4,1361.56 cw(c2433.13,1361.56) C77.1@2439.84,1355.16 ; v2(2525,495) 2490.16,495 2490,495.16 C120.1@2490,495.32 2448.64,495.32 C80.1@2442.4,501.56 ; v2(2525,1355) 2490.16,1355 2490,1355.16 C117.1@2490,1355.32 2449.84,1355.32 2449.68,1355.16 C77.1@2439.84,1355.16
  Layer 2 w20: v1@1985,1595 v1(1995,1595)
  Bottom Layer w20: v1(1330,1670) 1355,1645 1770,1645 v1(1830,1585) 1860,1615 1975,1615 v1(1995,1595) 2010,1580 v1(2505,1580)
+5: C3.1 C4.1 C5.1 C9.2 FB1.2 R1.2 R3.2 R10.2 R12.1 U2.7 U5.3 | length 540.7
  Top Layer w8: C5.1@443.13,1592.19 443.13,1540.42 U2.7@443.19,1540.35 ; C9.2@1047.56,1530 1057.72,1519.84 U5.3@1121.56,1519.84 ; R10.2@1120,1649.69 1120.16,1649.84 1159.84,1649.84 v2(1160,1650) 1160.16,1649.84 1199.84,1649.84 R12.1@1200,1649.68
  Top Layer w10: R1.2@310,1499.69 R3.2@310,1544.68 ; R3.2@312.66,1545.37 317.13,1549.84 317.13,1555.64 317.19,1555.7 317.19,1589.63 FB1.2@322.56,1595
  Top Layer w20: C4.1@385,1597.44 387.13,1595.32 C5.1@445,1595.32 445,1594 v2(449,1590) ; C9.2@1047.56,1530 1050,1532.44 v2(1050,1570)
  Top Layer w30: FB1.2@322.56,1595 FB1.2@322.56,1596.69 ; C3.1@322.56,1655 FB1.2@322.56,1596.69 ; C4.1@385,1597.44 323.31,1597.44 FB1.2@322.56,1596.69
-4: C84.1 C85.1 C86.1 C87.1 C88.1 C89.1 C90.1 C91.1 C121.1 C122.1 C123.1 C124.1 C125.1 C126.1 C127.1 C128.1 C148.2 FB6.1 U6.5 U7.5 U8.5 U9.5 U10.2 U11.2 U12.2 U13.2 | length 1825.7
  Top Layer w12: U8.5@1829.17,150.31 1844.69,150.31 1876.16,118.84 1876.16,108.84 1862.32,95 C125.1@1830,95 v1(1830,75) ; U9.5@1829.17,580.31 1829.27,580.22 1849.46,580.22 1874.19,555.5 1876.16,555.5 1879.31,552.34 1880,551.65 C89.1@1880,549.68 ; U6.5@1829.17,1010.63 1829.27,1010.54 1846.43,1010.54 1880,976.97 C122.1@1880,975 1880,973.03 1861.97,955 C86.1@1830,955 v1(1830,930) ; U7.5@1829.17,1440.31 1829.27,1440.22 1849.78,1440.22 1856.81,1433.19 1856.81,1418.19 1865,1410 ; v1(1830,505) C126.1@1830,525 1831.97,525 1856.16,549.19 1876.16,549.19 C89.1@1878.33,551.36 ; v1(1840,1350) C121.1@1840,1370 1840,1385 1865,1410 ; C84.1@1880,1410 1865,1410
  Top Layer w20: FB6.1@1050,1298.5 1050.75,1299.25 1104.25,1299.25 C148.2@1105,1300 v1(1130,1300) ; U12.2@2405,210.2 2405.32,210.51 C91.1@2405.32,255 C128.1@2405.32,300 2405.32,334.68 v2(2405,335) ; U13.2@2405,640.2 2405,684.69 C88.1@2405.32,685 C127.1@2405.32,730 2405.16,730 2405,730.16 v2(2405,765) ; U10.2@2405,1070.2 2405,1114.69 C87.1@2405.32,1115 C123.1@2405.32,1160 2405.16,1160 2405,1160.16 v2(2405,1195) ; U11.2@2405,1500.2 2405.32,1500.51 C85.1@2405.32,1545 C124.1@2405.32,1590 2405.16,1590 2405,1590.16 v2(2405,1625)
  Bottom Layer w20: v1(1130,1300) v1(1795,1300)
A+1.8: C8.2 C16.1 C17.1 C18.1 C19.1 C20.1 C21.1 C22.1 C23.1 C24.1 C25.1 C26.1 C95.1 C96.1 C97.1 C98.1 C99.1 C100.1 C101.1 C102.1 C103.1 C104.1 C105.1 C106.1 C107.1 C108.1 C109.1 C110.1 IC2.1 IC2.2 R33.1 R36.2 R38.1 R41.2 R43.1 R46.2 R48.1 R51.2 R62.1 R67.1 U1.5 U1.7 U1.11 U1.15 U1.19 U1.21 U1.26 U1.31 U1.33 U1.37 U1.39 | length 905.1
  Top Layer w6: C107.1@1490.32,915 1492.28,915 1520.87,886.41 1520.87,881.84 1527.72,875 R67.1@1529.68,875
  Top Layer w10: U1.39@1136.1,1008.54 1136.1,1038.48 1140,1042.38 v2(1140,1045) ; U1.5@1155.79,701.46 1155.79,671.83 1160,667.62 v2(1160,665) ; v2(1175,1045) 1175.39,1044.61 1175.39,1008.62 U1.37@1175.47,1008.54 ; v2(1190,665) 1190,667.62 1195.16,672.78 U1.7@1195.16,701.46 ; v2(1250,1045) 1250,1042.38 1254.21,1038.17 U1.33@1254.21,1008.54 ; v2(1270,665) 1270,667.62 1273.9,671.52 U1.11@1273.9,701.46 ; v2(1290,1045) 1290,1042.38 1293.58,1038.8 U1.31@1293.58,1008.54 ; U1.15@1358.54,727.05 1389.43,727.05 1392.38,730 v2(1395,730) ; U1.19@1358.54,805.79 1358.62,805.71 1386.67,805.71 1392.38,800 v2(1395,800) ; U1.21@1358.54,845.16 1387.22,845.16 1392.38,840 v2(1395,840) ; U1.26@1358.54,943.58 1384.67,943.58 1393.15,935.1 1393.15,931.85 v2(1395,930)
  Bottom Layer w20: C17.1@1130,1009.68 1130.16,1009.84 1130.16,1035.16 v2(1140,1045) ; C26.1@1145,700.32 1145.16,700.16 1145.16,679.84 v2(1160,665) ; C16.1@1170,1009.68 1170,1040 v2(1175,1045) ; C24.1@1185,700.32 1185,670 v2(1190,665) ; C20.1@1245,1009.68 1245,1040 v2(1250,1045) ; C25.1@1265,700.32 1265.16,700.16 1265.16,669.84 v2(1270,665) ; C19.1@1285,1009.68 1285,1040 v2(1290,1045) ; C23.1@1359.68,715 1380,715 v2(1395,730) ; C22.1@1359.68,795 1390,795 v2(1395,800) ; C21.1@1359.68,835 1390,835 v2(1395,840) ; C18.1@1359.68,925 1390,925 v2(1395,930)
  other v2: 1460,95 1460,225 1460,525 1460,655 1460,955 1460,1085 735,1325 735,1350 735,1375 1460,1385 1460,1515
CH0+: C39.1 R35.1 R36.1 U1.30 | length 339.2
  Top Layer w10: U1.30@1313.27,1008.54 1313.27,1043.27 1330,1060 1426.21,1060 1447.71,1038.5 1485.16,1038.5 R36.1@1490,1043.35 ; R36.1@1490,1045.32 R36.1@1490,1043.35 ; R35.1@1580.32,1040 1578.35,1040 1568.35,1030 1545.7,1030 1542.83,1032.87 1539.84,1032.87 C39.1@1535,1037.72 ; R36.1@1490,1043.35 1494.84,1038.5 1496.81,1038.5 1502.44,1032.87 1530.16,1032.87 C39.1@1535,1037.72 ; C39.1@1535,1037.72 C39.1@1535,1039.68 C39.1@1535,1037.72
CH0-: C39.2 R33.2 R34.1 U1.29 | length 318
  Top Layer w10: U1.29@1332.95,1008.54 1332.95,1039.14 1338.81,1045 1420,1045 1450,1015 1471.65,1015 1490,996.65 1500.47,1007.13 1530.16,1007.13 C39.2@1535,1002.28 ; R34.1@1580.32,1000 1578.35,1000 1568.35,1010 1545.7,1010 1542.83,1007.13 1539.84,1007.13 C39.2@1535,1002.28 ; C39.2@1535,1002.28 C39.2@1535,1000.31 C39.2@1535,1002.28
CH0_OUT: R53.2 SMA1.1 | length 93
  Top Layer w20: R53.2@2591.5,1070 SMA1.1@2684.5,1070
CH1+: C51.1 R40.1 R41.1 U1.36 | length 704.2
  Top Layer w10: U1.36@1195.16,1008.54 1195.16,1235.16 1420,1460 1474.68,1460 1483.19,1468.5 1485.16,1468.5 1490,1473.35 R41.1@1490,1474.53 ; R41.1@1490,1475.32 R41.1@1490,1474.53 ; R40.1@1570,1470 1569.84,1469.84 1530.16,1469.84 C51.1@1530,1469.68 1494.84,1469.68 R41.1@1490,1474.53
CH1-: C51.2 R38.2 R39.1 U1.35 | length 673.1
  Top Layer w10: U1.35@1214.84,1008.54 1214.84,1229.84 1425,1440 1474.68,1440 1483.19,1431.5 1485.16,1431.5 1490,1426.65 R38.2@1490,1425.47 ; R38.2@1490,1424.69 R38.2@1490,1425.47 ; R39.1@1570,1430 1569.84,1430.16 1530.16,1430.16 C51.2@1530,1430.31 1494.84,1430.31 R38.2@1490,1425.47
CH1_OUT: R54.2 SMA2.1 | length 123.5
  Top Layer w20: R54.2@2591.5,1500 SMA2.1@2715,1500
CH2+: C63.2 R43.2 R44.1 U1.8 | length 814.7
  Top Layer w10: U1.8@1214.84,701.46 1214.84,450.16 1340,325 1340,215 1405,150 1475,150 1483.19,141.81 1485.16,141.81 1490,136.97 R43.2@1490,135.47 ; R43.2@1490,135 R43.2@1490,135.47 ; R44.1@1580,140 1579.84,140.16 1535.16,140.16 C63.2@1535,140.31 1494.84,140.31 R43.2@1490,135.47
CH2-: C63.1 R45.1 R46.1 U1.9 | length 781
  Top Layer w10: U1.9@1234.53,701.46 1234.53,460.47 1360,335 1360,221.21 1411.21,170 1476.34,170 1485.16,178.82 1490,183.66 1491,182.66 1532.03,182.66 1534.84,179.84 1580.16,179.84 R45.1@1580.32,180
CH2_OUT: R55.2 SMA3.1 | length 123.5
  Top Layer w20: R55.2@2591.5,210 SMA3.1@2715,210
CH3+: C75.2 R48.2 R49.1 U1.13 | length 356.1
  Top Layer w10: U1.13@1313.27,701.46 1313.27,651.73 1385,580 1474.68,580 1483.19,571.5 1485.16,571.5 1490,566.65 R48.2@1490,565.47 ; R48.2@1490,564.69 R48.2@1490,565.47 ; R49.1@1580.32,570 1580.16,570.16 1535.16,570.16 C75.2@1535,570.31 1494.84,570.31 R48.2@1490,565.47
CH3-: C75.1 R50.1 R51.1 U1.14 | length 322.9
  Top Layer w10: U1.14@1332.95,701.46 1332.95,662.05 1395,600 1474.68,600 1483.19,608.5 1485.16,608.5 1490,613.35 R51.1@1490,615.32 1490,614.53 1494.84,609.68 C75.1@1535,609.68 1535.16,609.84 1580.16,609.84 R50.1@1580.32,610
CH3_OUT: 3.1 R56.2 | length 123.5
  Top Layer w20: R56.2@2591.5,640 2684.5,640 3.1@2715,640
CLK+: C152.2 U1.23 | length 1047.7
  Top Layer w10: C152.2@1164.69,130 v1(1190,130) ; U1.23@1358.54,884.53 1411.91,884.53 1417.38,890 v2(1420,890)
  Bottom Layer w10: v1(1190,130) 1180,130 1170,140 1170,150 1180,160 1290,160 1310,180 1310,560 1440,690 1440,870 v2(1420,890)
CLK-: C153.2 U1.22 | length 1058.3
  Top Layer w10: C153.2@1164.69,95 v1(1190,95) ; U1.22@1358.54,864.84 1412.54,864.84 1417.38,860 v2(1420,860)
  Bottom Layer w10: v1(1190,95) 1170,95 1150,115 1150,158.28 1171.72,180 1281.72,180 1290,188.28 1290,570 1420,700 v2(1420,860)
CLK_MODE: R2.1 R67.2 U1.24 | length 185.5
  Top Layer w6: U1.24@1358.54,904.21 1399.21,904.21 1405,910 1448.35,910 1453.35,910 1488.35,875 R67.2@1490.31,875 ; R67.2@1488.35,870 R67.2@1490.31,870 ; R2.1@1490,835 1490.16,835.16 R67.2@1490.16,869.84
CS: R21.2 U1.47 | length 509
  Top Layer w10: R21.2@569.69,970 711.09,970 816.04,970 910,970 975.79,904.21 U1.47@1051.46,904.21
D+1.8: C14.1 C15.1 C139.2 IC1.1 IC1.2 R11.1 U1.45 U1.55 | length 151.1
  Top Layer w10: v2(1015,745) 1016.65,746.65 1051.38,746.65 U1.55@1051.46,746.73 ; v2(1015,950) 1017.62,950 1023.96,943.66 1051.38,943.66 U1.45@1051.46,943.58
  Bottom Layer w20: v2(1015,745) 1019.84,740.16 1050.16,740.16 C14.1@1050.32,740 ; v2(1015,950) 1019.84,954.84 1050.16,954.84 C15.1@1050.32,955
  other v2: 545,1325 545,1350 545,1375